# Altium PCB UPCNSL-ABS-FLS-ARD_v1.2.PcbDoC (part 1 of 2)
Units mm, origin at the board's own origin, x right, y up, seen from the top; angles counter-clockwise.
Board outline 96 x 90 mm, 2 copper layers (Top Layer, Bottom Layer), stack 1.671 mm thick; 119 components, 153 nets, 577 pads, 125 vias.
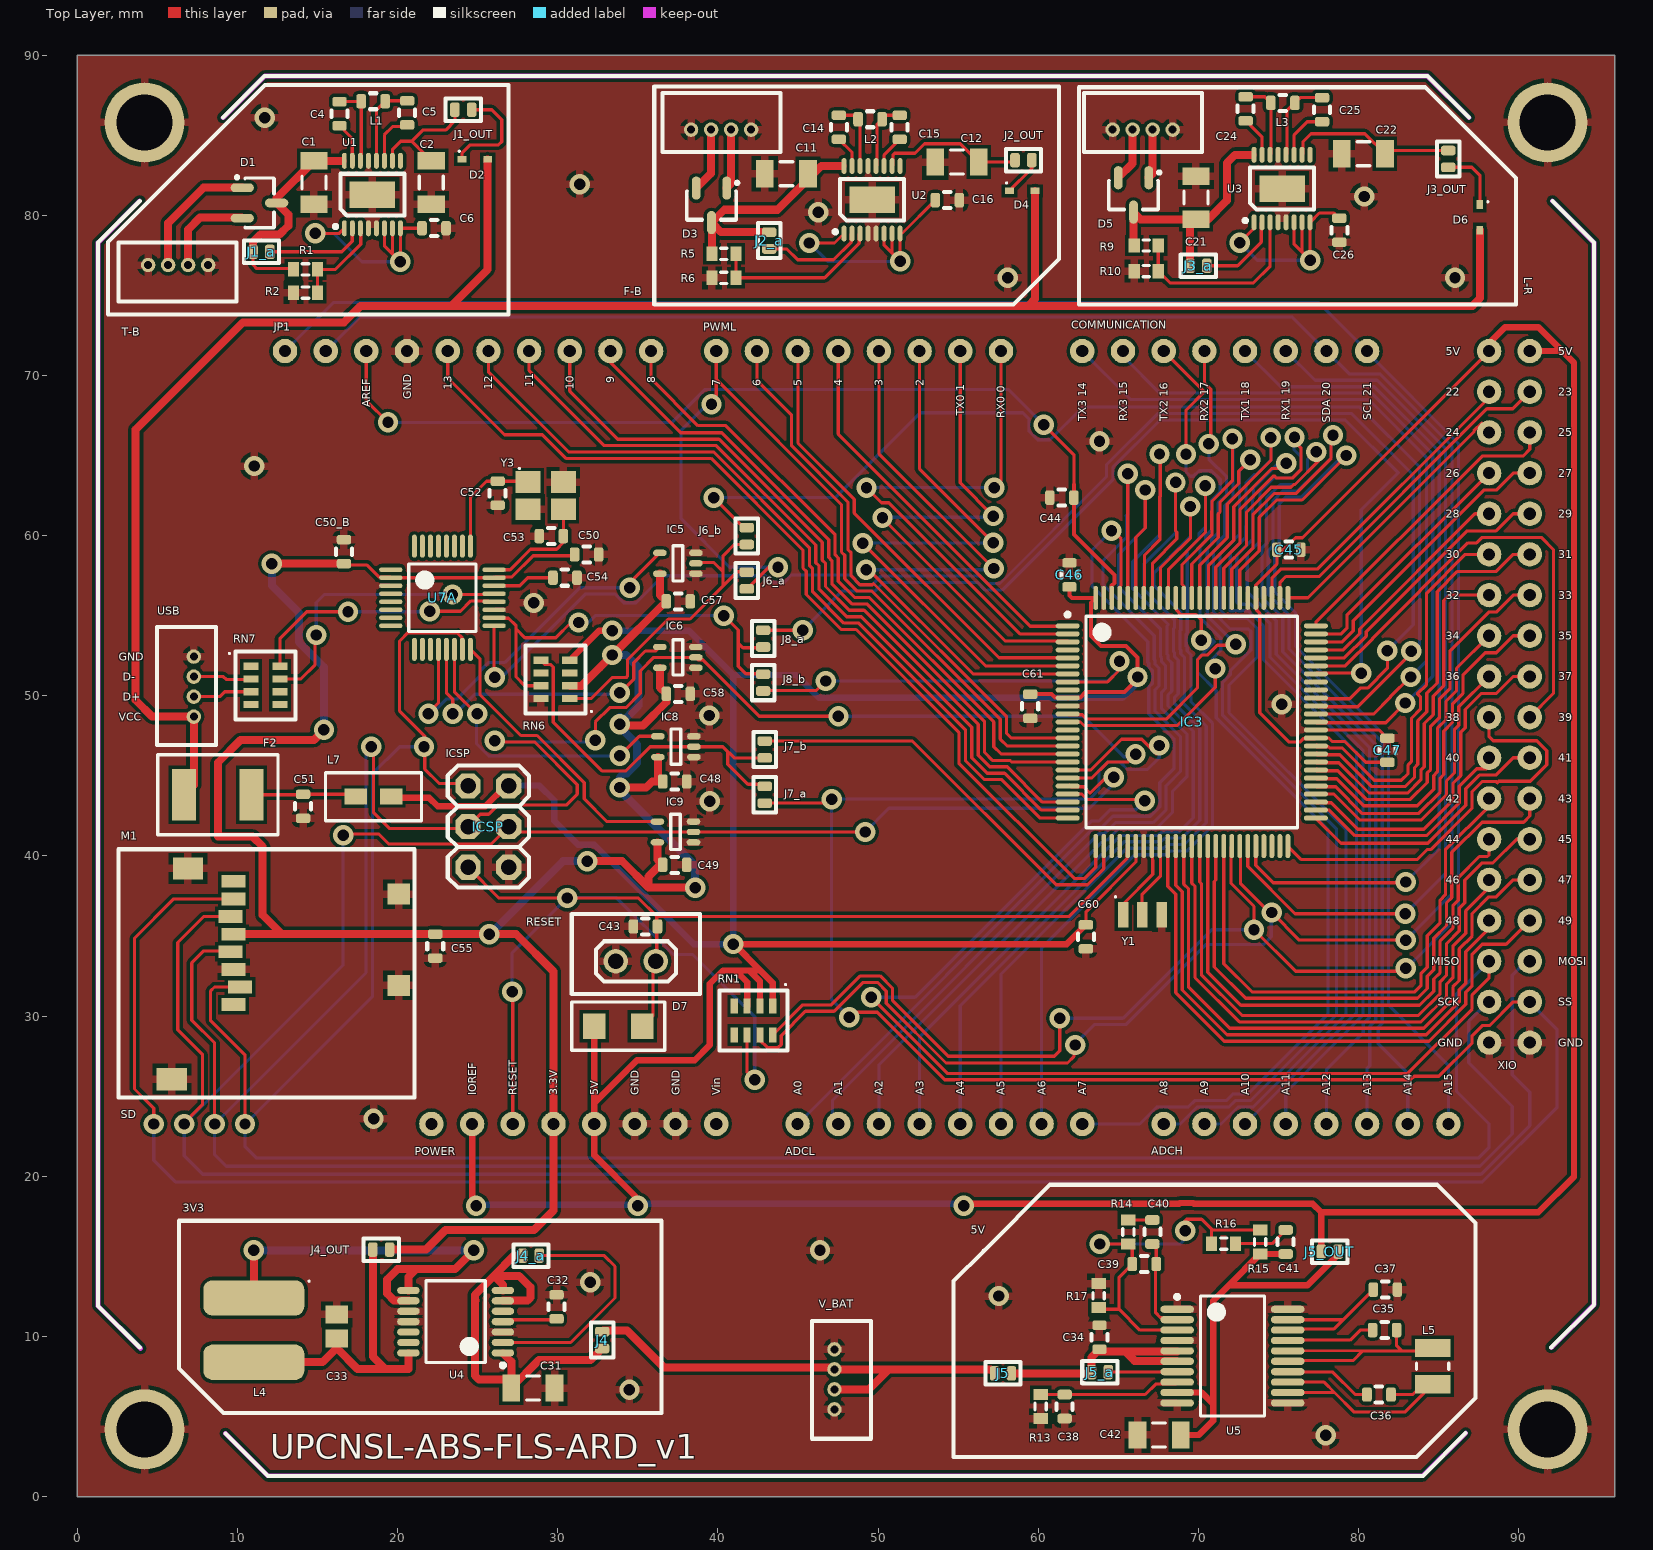
[diagram p0: Top Layer view]
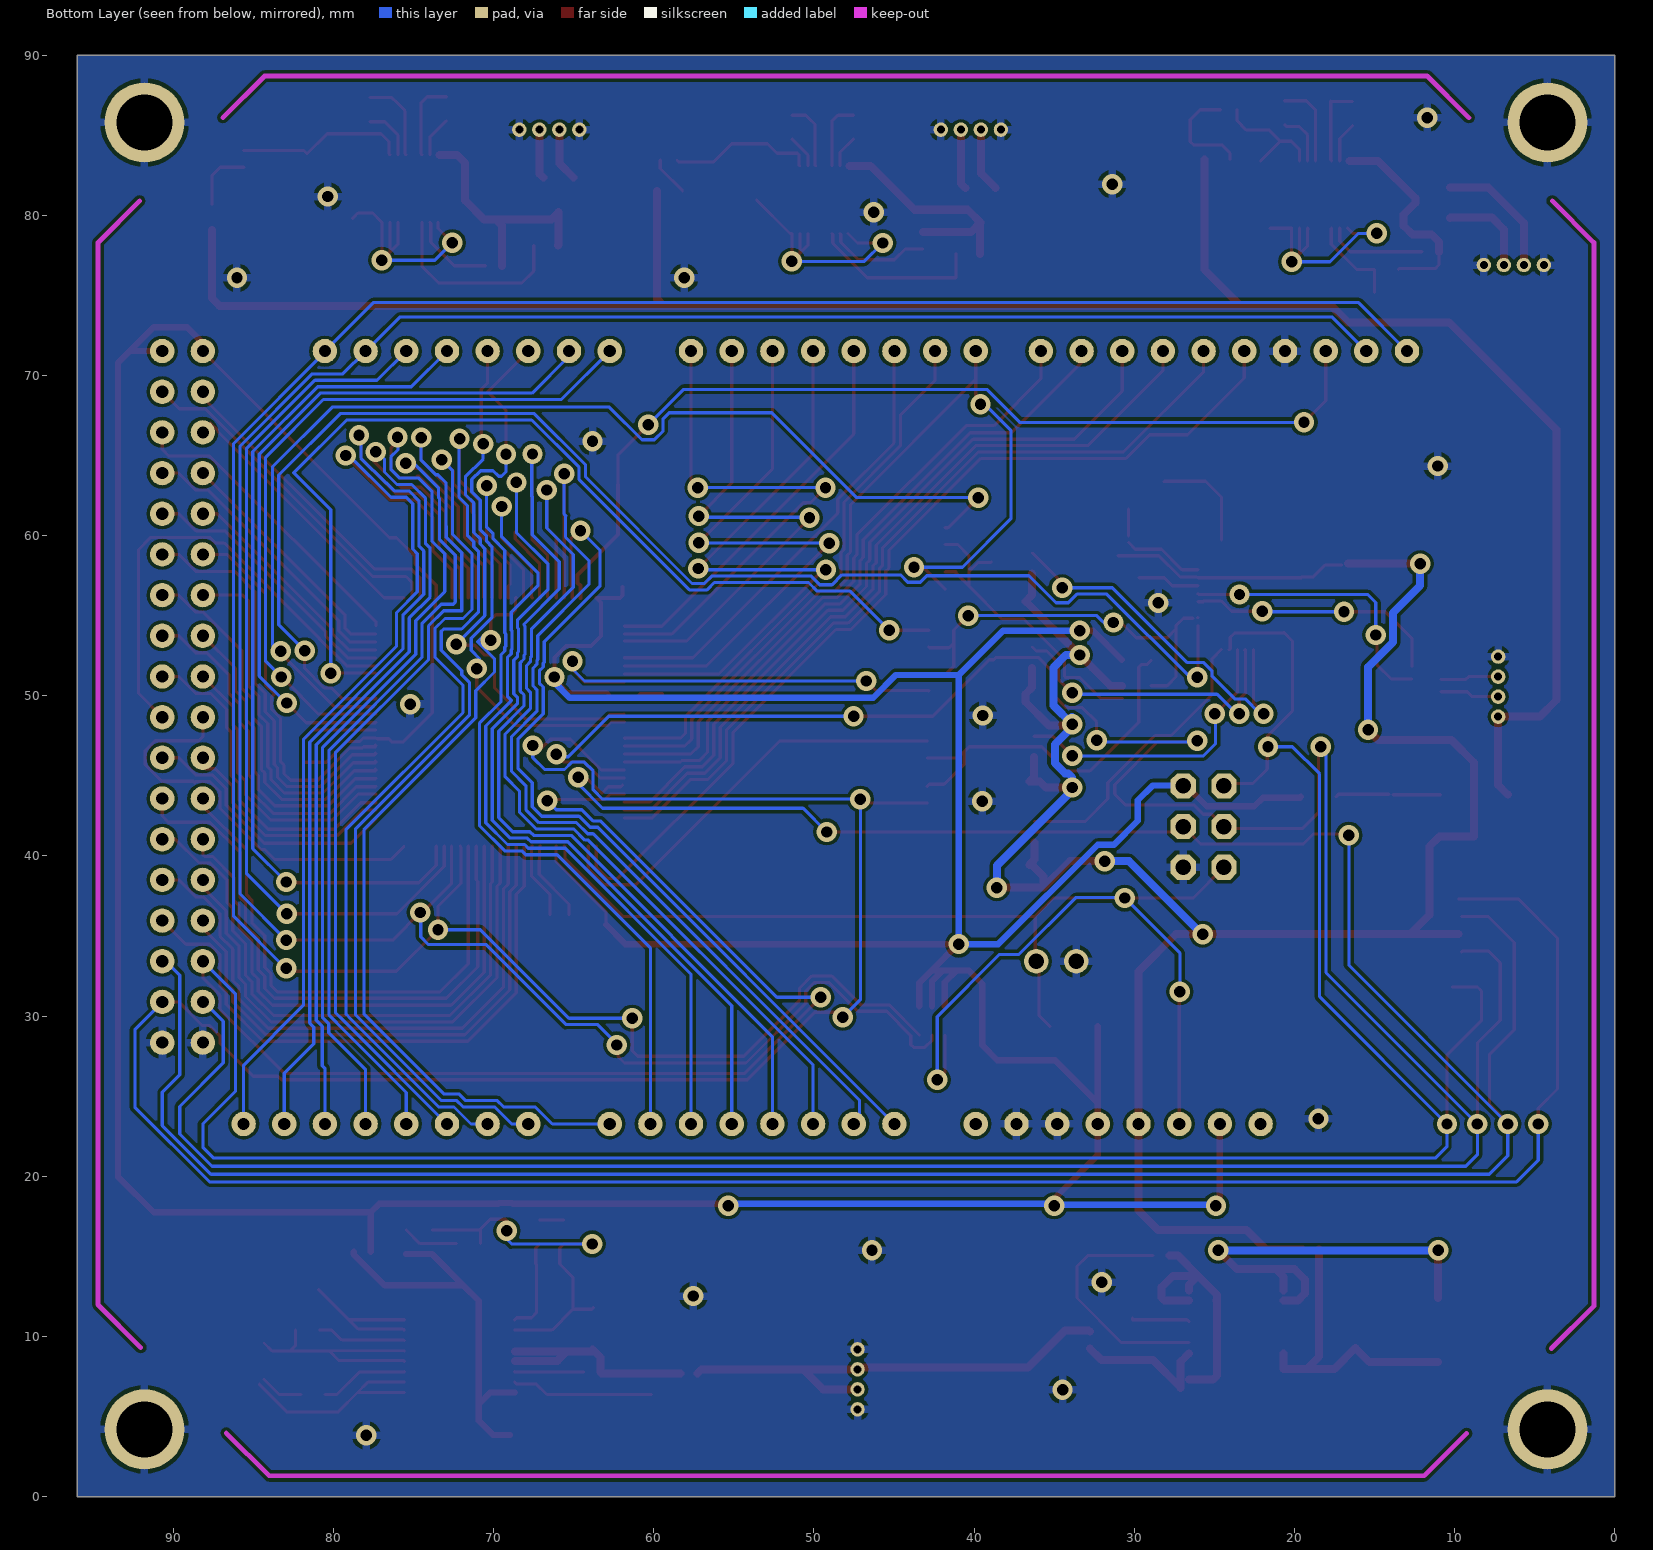
[diagram p1: Bottom Layer view, seen from below]
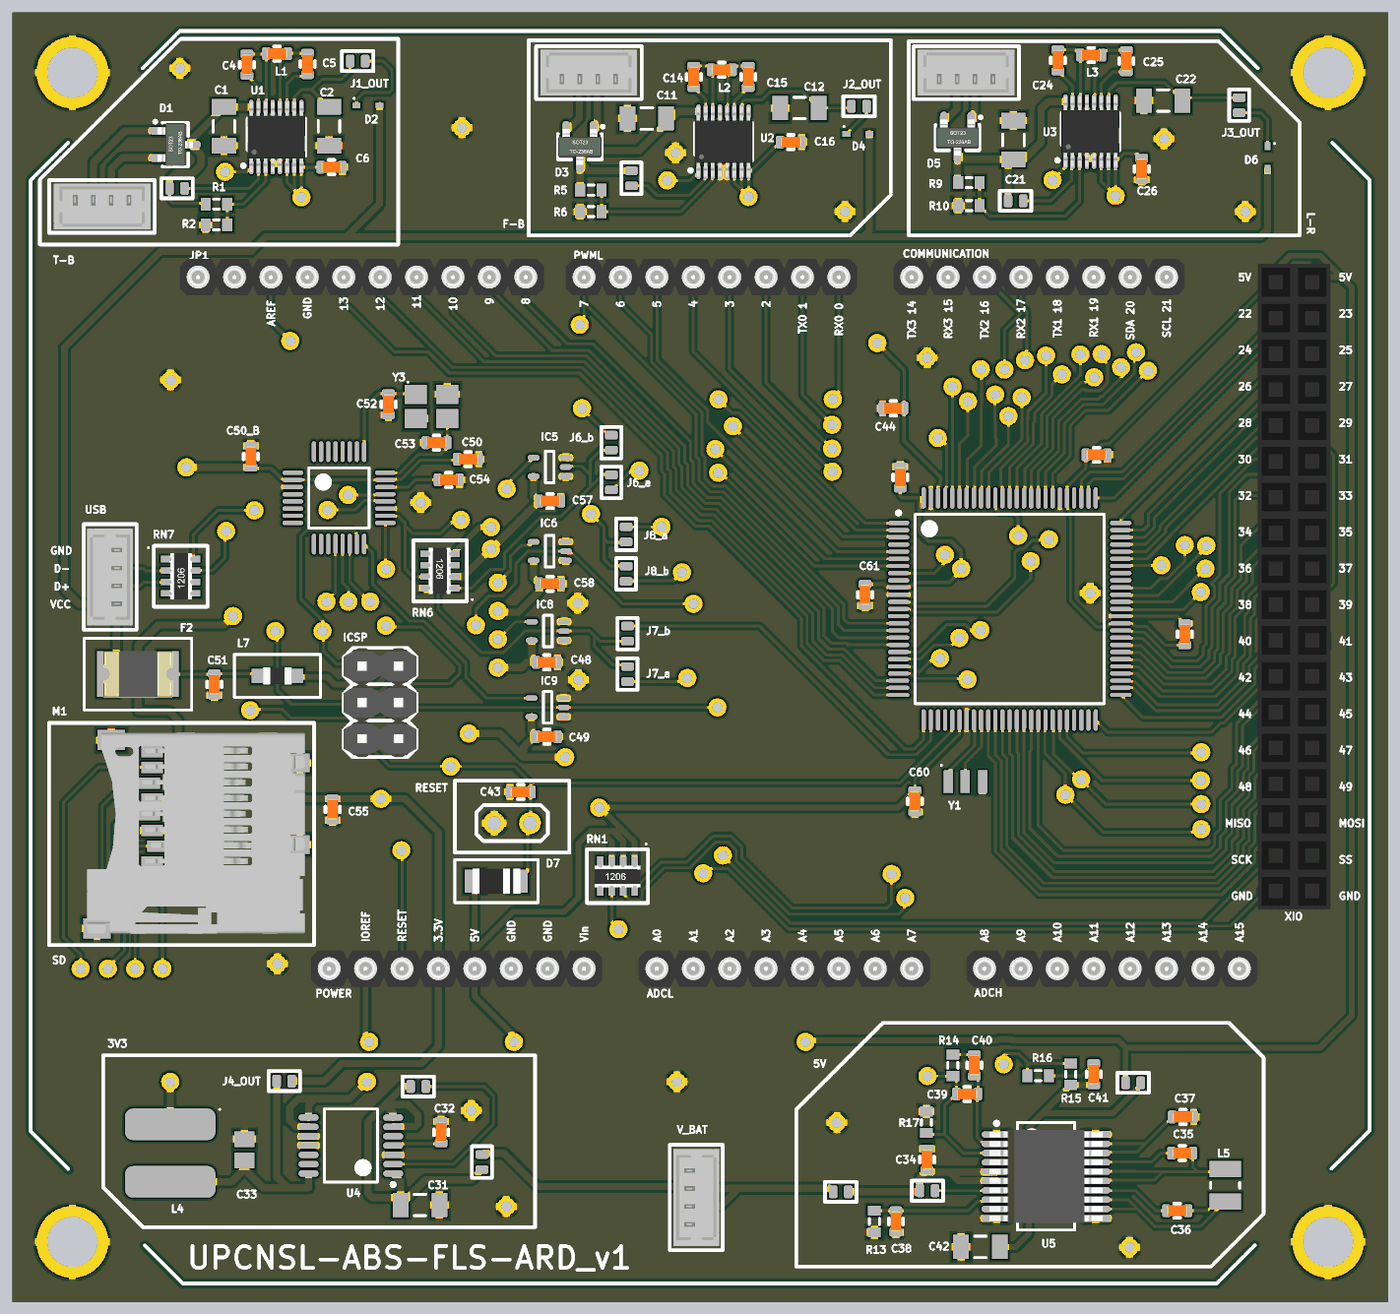
[diagram p3: 3D render of the assembled board from above, using the file's embedded part models]

## Layer stack, top to bottom
Top Solder: solder mask 0.0102, Solder Resist, Dk 3.5
Top Layer: signal copper 0.0356
Dielectric 1: dielectric 1.6, FR-4, Dk 4.8
Bottom Layer: signal copper 0.0356
Bottom Solder: solder mask 0.0102, Solder Resist, Dk 3.5

## Board outline
0,0 96,0 96,90 0,90

## Design rules (kind name [scope] priority, off if disabled: settings)
Clearance [All] p1: gap=0.2
PlaneConnect [All] p1: planeconnectstyle=Relief reliefexpansion=0.508 reliefentries=4 reliefconductorwidth=0.5 reliefairgap=0.254
PolygonConnect [All] p1: connectstyle=Relief reliefconductorwidth=0.5 reliefentries=4 polygonreliefangle="90 Angle" airgapwidth=0.254
RoutingVias [All] p1: holewidth=0.6 width=1 viastyle="Through Hole" minholewidth=0.711 minwidth=1.27 maxholewidth=0.711 maxwidth=1.27
SolderMaskExpansion [All] p1: expansion=0.102
Width [All] p1: maxlimit=1 minlimit=0.2 preferedwidth=0.2
29 further rules are at their usual default settings.

## Components (designator, comment, footprint, x,y, rotation, side; value= is the part's Value field where it differs from the comment)
ADCH "8x1F-H8.5" ADCH 67.833,23.268 r0 top
ADCL "8x1F-H8.5" ADCL 44.973,23.268 r0 top
C1 "Cap Semi" C1206 14.775,82.05 r90 top
C2 "Cap Semi" C1206 22.1,82.05 r90 top
C4 "Cap Semi" CAP0603 16.375,86.35 r90 top
C5 "Cap Semi" CAP0603 20.6,86.4 r90 top
C6 "Cap Semi" CAP0603 22.275,79.2 r180 top
C11 "Cap Semi" C1206 44.275,82.6 r0 top
C12 "Cap Semi" C1206 54.925,83.325 r0 top
C14 "Cap Semi" CAP0603 47.55,85.5 r90 top
C15 "Cap Semi" CAP0603 51.35,85.5 r90 top
C16 "Cap Semi" CAP0603 54.325,80.95 r180 top
C21 "Cap Semi" C1206 69.85,81.1 r270 top
C22 "Cap Semi" C1206 80.3,83.85 r0 top
C24 "Cap Semi" CAP0603 72.95,86.65 r90 top
C25 "Cap Semi" CAP0603 77.725,86.6 r90 top
C26 "Cap Semi" CAP0603 78.8,79.075 r90 top
C31 "Cap Semi" C1206 28.45,6.775 r0 top
C32 "Cap Semi" CAP0603 29.925,11.85 r270 top
C33 "Cap Semi" C0805 16.2,10.625 r90 top
C34 "Cap Semi" CAP0603 63.825,9.95 r270 top
C35 "Cap Semi" CAP0603 81.625,10.4 r180 top
C36 "Cap Semi" CAP0603 81.275,6.375 r180 top
C37 "Cap Semi" CAP0603 81.675,12.925 r180 top
C38 "Cap Semi" CAP0603 61.65,5.625 r90 top
C39 "Cap Semi" CAP0603 66.625,14.525 r0 top
C40 "Cap Semi" CAP0603 67.125,16.525 r90 top
C41 "Cap Semi" CAP0603 75.45,15.9 r90 top
C42 "Cap Semi" C1206 67.55,3.85 r180 top
C43 "22p" CAP0603 35.475,35.6 r180 top
C44 "100n" CAP0603 61.475,62.375 r180 top
C45 "100n" CAP0603 75.65,59.125 r0 top
C46 "100n" CAP0603 61.95,57.55 r90 top
C47 "100n" CAP0603 81.8,46.6 r90 top
C48 "100n" CAP0603 37.3,44.65 r0 top
C49 "100n" CAP0603 37.3,39.45 r0 top
C50 "100n" CAP0603 31.8,58.825 r0 top
C50_B "100n" CAP0603 16.65,59 r90 top
C51 "100n" CAP0603 14.1,43.1 r270 top
C52 "22p" CAP0603 26.25,62.65 r90 top
C53 "22p" CAP0603 29.6,59.975 r0 top
C54 "100n" CAP0603 30.45,57.375 r0 top
C55 "CAP0603" CAP0603 22.35,34.375 r90 top
C57 "100n" CAP0603 37.525,55.9 r0 top
C58 "100n" CAP0603 37.525,50.125 r0 top
C60 "100n" CAP0603 62.975,34.95 r270 top
C61 "100n" CAP0603 59.5,49.35 r270 top
COMMUNICATION "8x1F-H8.5" COMMUNICATION 62.753,71.528 r0 top
D1 "HSMS-2824-TR1G" SOT23-3 11.375,80.775 r270 top
D2 "DIODE" "(Schottky diode) SODFL160X70-2N" 24.825,83.5 r0 top
D3 "HSMS-2824-TR1G" SOT23-3 39.6,80.625 r180 top
D4 "DIODE" "(Schottky diode) SODFL160X70-2N" 59,81.525 r0 top
D5 "HSMS-2824-TR1G" SOT23-3 65.95,81.275 r180 top
D6 "DIODE" "(Schottky diode) SODFL160X70-2N" 87.575,79.875 r270 top
D7 "CD1206-S01575" "SMD DIODE" 33.775,29.375 r180 top
F2 "MF-MSMF050-2 500mA" FUSE 8.775,43.825 r180 top
F-B "HEADER_CONNECTION" HEADER_CONNECTION 38.325,85.35 r0 top
IC3 "ATMEGA2560-16AU" TSQFP50P1600X1600X120-100N 69.588,48.368 r0 top
IC5 "74LVC1G125DCK" SOT65P210X110-5N 37.5,58.275 r180 top
IC6 "74LVC1G125DCK" SOT65P210X110-5N 37.5,52.4 r180 top
IC8 "74LVC1G125DCK" SOT65P210X110-5N 37.375,46.825 r180 top
IC9 "74LVC1G125DCK" SOT65P210X110-5N 37.35,41.5 r180 top
ICSP "3x2M" "Header 3x2" 24.4,44.375 r0 top
J1_a "Jumper_Solderpad" JUMPER_SOLDERPAD 11.5,77.725 r180 top
J1_OUT "Jumper_Solderpad" JUMPER_SOLDERPAD 24.1,86.6 r0 top
J2_a "Jumper_Solderpad" JUMPER_SOLDERPAD 43.2,78.425 r90 top
J2_OUT "Jumper_Solderpad" JUMPER_SOLDERPAD 59.075,83.45 r0 top
J3_a "Jumper_Solderpad" JUMPER_SOLDERPAD 70,76.85 r180 top
J3_OUT "Jumper_Solderpad" JUMPER_SOLDERPAD 85.6,83.525 r270 top
J4 "Jumper_Solderpad" JUMPER_SOLDERPAD 32.775,9.775 r270 top
J4_a "Jumper_Solderpad" JUMPER_SOLDERPAD 28.325,15.05 r0 top
J4_OUT "Jumper_Solderpad" JUMPER_SOLDERPAD 18.975,15.425 r0 top
J5 "Jumper_Solderpad" JUMPER_SOLDERPAD 57.8,7.7 r0 top
J5_a "Jumper_Solderpad" JUMPER_SOLDERPAD 63.85,7.775 r180 top
J5_OUT "Jumper_Solderpad" JUMPER_SOLDERPAD 78.2,15.3 r180 top
J6_a "Jumper_Solderpad" JUMPER_SOLDERPAD 41.8,57.2 r270 top
J6_b "Jumper_Solderpad" JUMPER_SOLDERPAD 41.8,59.975 r90 top
J7_a "Jumper_Solderpad" JUMPER_SOLDERPAD 42.925,43.825 r270 top
J7_b "Jumper_Solderpad" JUMPER_SOLDERPAD 42.925,46.65 r90 top
J8_a "Jumper_Solderpad" JUMPER_SOLDERPAD 42.825,53.575 r90 top
J8_b "Jumper_Solderpad" JUMPER_SOLDERPAD 42.825,50.825 r270 top
JP1 "10x1F-H8.5" "HEADER 1X10" 12.969,71.528 r0 top
L1 "Inductor" CAP0603 18.475,87.125 r0 top
L2 "Inductor" CAP0603 49.5,86 r0 top
L3 "Inductor" CAP0603 75.275,87.025 r0 top
L4 "INDUCTOR" "INDUCTOR - 74405215" 11.025,10.4 r270 top
L5 "INDUCTOR" "INDUCTOR - 1008[2520]" 84.625,8.15 r270 top
L7 "MH2029-300Y" INDUCTOR 18.5,43.7 r180 top
L-R "HEADER_CONNECTION" HEADER_CONNECTION 64.645,85.35 r0 top
M1 "MICRO SD" "Micro SD holder" 20.062,31.919 r90 top
POWER "8x1F-H8.5" POWER 22.113,23.268 r0 top
PWML "8x1F-H8.5" PWM 39.893,71.528 r0 top
R1 "Res3" J1-0603 14.25,76.625 r180 top
R2 "Res3" J1-0603 14.25,75.175 r0 top
R5 "Res3" J1-0603 40.375,77.6 r180 top
R6 "Res3" J1-0603 40.375,76.1 r0 top
R9 "Res3" J1-0603 66.745,78.117 r180 top
R10 "Res3" J1-0603 66.745,76.517 r0 top
R13 "Res3" J1-0603 60.15,5.625 r90 top
R14 "Res3" J1-0603 65.625,16.525 r90 top
R15 "Res3" J1-0603 73.85,15.9 r270 top
R16 "Res3" J1-0603 71.575,15.8 r0 top
R17 "Res3" J1-0603 63.775,12.55 r270 top
RESET "Jumper" Jumper 36.125,33.425 r180 top
RN1 "10K" CAF-80P319X159-8N 42.225,29.725 r270 top
RN6 "10K" CAF-80P319X159-8N 29.85,51.025 r180 top
RN7 "22R" CAF-80P319X159-8N 11.75,50.65 r0 top
T-B "HEADER_CONNECTION" HEADER_CONNECTION 8.175,76.9 r180 top
U1 "LTC3129IMSE" MSOP-16 18.425,81.3 r0 top
U2 "LTC3129IMSE" MSOP-16 49.625,80.975 r0 top
U3 "LTC3129IMSE" MSOP-16 75.225,81.675 r0 top
U4 "LM2852YMXA" "TSOP65P650X110-14N (LM2852YMXA)" 23.625,10.925 r180 top
U5 "LTC3112" SSOP-SS20 72.125,8.775 r0 top (schematic designator LTC3112)
U7A "MAX3421EEHJ" TSQFP50P700X700X120-32N 22.8,56.125 r0 top
USB "HEADER_CONNECTION" HEADER_CONNECTION 7.275,48.7 r90 top
V_BAT "HEADER_CONNECTION" HEADER_CONNECTION 47.275,9.2 r270 top
XIO "18x2F-H8.5" "HEADER 2X18" 88.153,71.528 r0 top
Y1 "XTAL" "RESONATOR 3 PINS" 66.5,36.325 r0 top
Y3 "Crystal" CRYSTAL 29.25,62.5 r0 top

## Footprints (in the part's own frame and the unit in brackets; to place one, negate y for a bottom-side part, rotate by r counter-clockwise, add the part's x,y. Pads: shape width x height; smd on the part's side, far side on the other; paste and mask are expansions set on the pad)
"(Schottky diode) SODFL160X70-2N" [mm] "SODFL, 2-Leads, Body 0,80x1,60mm, IPC Medium Density"
  rect 0.55x0.4 smd: A(-0.8,0) K(0.8,0)
  silkscreen extent -1.02,0.45 -0.93,0.55, body extent -0.65,-0.45 0.65,0.45, height 0.7
ADCH [mil]
  round 60 hole 30: 1(0,0) 2(100,0) 3(200,0) 4(300,0) 5(400,0) 6(500,0) 7(600,0) 8(700,0)
  body extent -50,-50 750,50, height 276
ADCL [mil]
  round 60 hole 30: 1(0,0) 2(100,0) 3(200,0) 4(300,0) 5(400,0) 6(500,0) 7(600,0) 8(700,0)
  body extent -50,-50 750,50, height 276
C0805 [mm] "Chip Capacitor, Body 2.0x1.3mm, IPC High Density"
  rect 1.1x1.4 smd: 1(-0.75,0) 2(0.75,0)
  body extent -1.1,-0.72 1.1,0.72, height 1.4
C1206 [mm] "Chip Capacitor, Body 3.2x1.6mm, IPC High Density"
  rect 1.1x1.7 smd: 1(-1.35,0) 2(1.35,0)
  silkscreen extent -0.4,-0.75 0.4,0.75, body extent -1.7,-0.9 1.7,0.9, height 1.3
CAF-80P319X159-8N [mm] "Chip Array, Flat, 8-Leads, Pitch 0,80mm,  Body 3,20x1,60mm,  IPC Medium Density"
  rect 0.95x0.45 smd: 1(-0.9,1.2) 2(0.9,1.2) 3(-0.9,0.4) 4(0.9,0.4) 5(-0.9,-0.4) 6(0.9,-0.4) 7(-0.9,-1.2) 8(0.9,-1.2)
  silkscreen extent -2.3,-2.13 1.87,2.13, body extent -0.78,-1.6 0.83,1.6, height 0.5
CAP0603 [mm] "Capacitor Chip Inductor, Body 0.6x0.3mm, IPC High Density"
  rrect50% 0.6x0.9 smd: 1(-0.75,0) 2(0.75,0)
  silkscreen extent -0.2,-0.5 0.2,0.5, body extent -0.76,-0.38 0.76,0.38, height 0.76
COMMUNICATION [mil]
  round 60 hole 30: 1(700,0) 2(600,0) 3(500,0) 4(400,0) 5(300,0) 6(200,0) 7(100,0) 8(0,0)
  body extent -50,-50 750,50, height 276
CRYSTAL [mm] "TXC  7M-12.000MEEQ-T"
  rect 1.55x1.35 smd: 1(-1.1,0.85) 2(-1.1,-0.85) 3(1.1,-0.85) 4(1.1,0.85)
  silkscreen extent -1.7,1.65 -1.6,1.75, body extent -1.65,-1.3 1.65,1.3, height 0.8
FUSE [mm]
  rect 1.5x3.2 smd: 1(-2.1,0) 2(2.1,0)
  silkscreen extent -3.75,-2.5 3.75,2.5, body extent -2.41,-1.61 2.41,1.61, height 1.32
"HEADER 1X10" [mil]
  round 60 hole 30: 1(0,0) 2(100,0) 3(200,0) 4(300,0) 5(400,0) 6(500,0) 7(600,0) 8(700,0) 9(800,0) 10(900,0)
  body extent -50,-50 950,50, height 276
"HEADER 2X18" [mil]
  round 60 hole 30: 1(0,0) 2(100,0) 3(0,-100) 4(100,-100) 5(0,-200) 6(100,-200) 7(0,-300) 8(100,-300) 9(0,-400) 10(100,-400) 11(0,-500) 12(100,-500) 13(0,-600) 14(100,-600) 15(0,-700) 16(100,-700) 17(0,-800) 18(100,-800) 19(0,-900) 20(100,-900) 21(0,-1000) 22(100,-1000) 23(0,-1100) 24(100,-1100) 25(0,-1200) 26(100,-1200) 27(0,-1300) 28(100,-1300) 29(0,-1400) 30(100,-1400) 31(0,-1500) 32(100,-1500) 33(0,-1600) 34(100,-1600) 35(0,-1700) 36(100,-1700)
  body extent -50,-1737 150,36, height 327
"Header 3x2" [mm]
  oct 1.575x1.575 hole 0.965: 1(0,0) 2(2.54,0) 3(0,-2.54) 4(2.54,-2.54) 5(0,-5.08) 6(2.54,-5.08)
  silkscreen extent -1.27,-6.35 3.81,1.27, body extent -1.27,-6.35 3.81,1.27, height 8.38
HEADER_CONNECTION [mm] "Headers to extarnal connections (power, signals,...)"
  round 0.9 hole 0.5: 1(0,0) 2(1.25,0) 3(2.5,0) 4(3.75,0)
  silkscreen extent -1.78,-1.4 5.59,2.29, body extent -1.47,-1.15 5.28,2.05, height 4.2